# KiCad board ETH1CLCR2.kicad_pcb (continued)
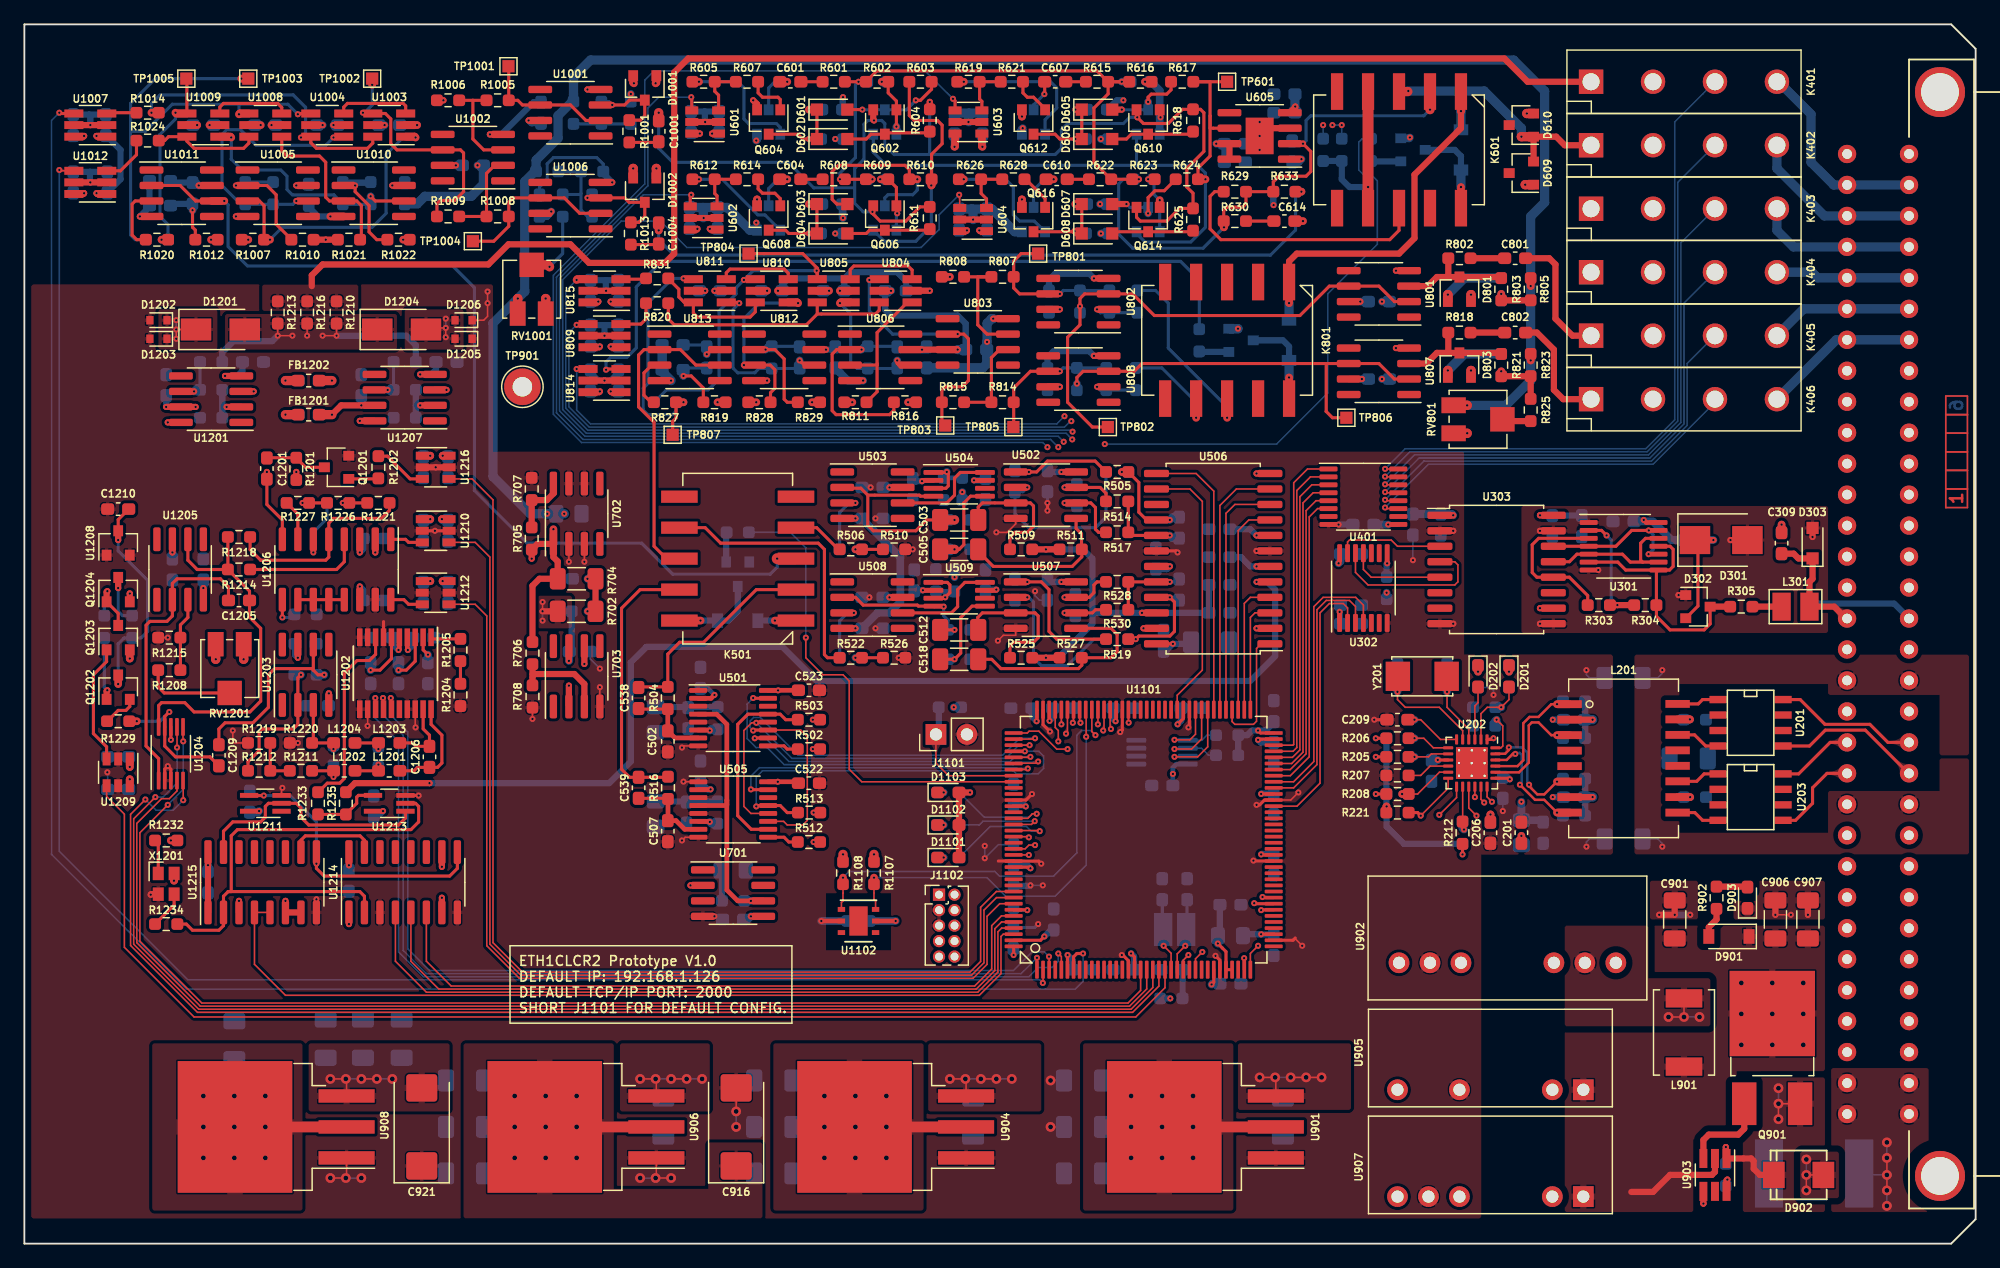
[diagram p0: board, top side]
## Routing (per net, layer and track width the routed paths; a pad name or vN(x,y) marks a point on that pad's centre or on a via; arc(x,y) is an arc through that point) (continued)
/MCU/VDIFF1: length 80.3
  Top w0.127: U1101.98 88.03,42.6 v1(88.02,42.59)
  Top w0.634: 46.22,79.1 45.34,79.1 v1(45.28,79.04)
  In3.Cu w0.127: v1(88.02,42.59) 87.07,43.55 87.07,65.48 v1(85.95,66.59)
  Bottom w0.127: v1(45.28,79.04) 44.39,78.15 44.39,68.52 46.19,66.72 85.82,66.72 v1(85.95,66.59)
/MCU/VDIFF2: length 78.2
  Top w0.127: U1101.97 88.53,42.15 v1(88.46,42.08)
  Top w0.254: v1(45.28,75.36) 45.34,75.42 U809.4
  In3.Cu w0.127: v1(88.46,42.08) 88.46,42.97 87.32,44.11 87.32,65.99 v1(85.85,67.46)
  Bottom w0.127: v1(85.85,67.46) 85.77,67.46 85.29,66.97 46.31,66.97 44.65,68.64 44.65,74.72 v1(45.28,75.36)
/Trigger/EXT_TRIG_SIGN: length 13.2
  Top w0.254: U301.3 124.16,57.85 123.64,57.32 123.64,55.04 124.02,54.66 U303.12 126.69,54.66 128.19,53.16 R303.1
/Trigger/TRIG_OUT_EN: length 12.2
  Top w0.254: U301.10 v1(133.18,56.55) ; U301.13 v1(133.2,58.5) 131.8,58.5 130.5,57.2 U301.4 U303.14
  Bottom w0.254: v1(133.2,58.5) 133.55,58.14 133.55,56.91 v1(133.18,56.55)
/Trigger/TRIG_OUT_SIGN: length 12.4
  Top w0.254: U301.12 132.93,57.85 132.53,57.45 132.53,56.05 132.69,55.9 ; U301.9 132.69,55.9 ; 132.69,55.9 131.69,55.9 131.04,56.55 U301.5 127.31,56.55 126.69,55.93 U303.13
Earth: length 4.1
  Bottom w0.127: R216.1 133.93,33.19 134.31,32.81 v1(134.31,32.56) ; C212.1 133.93,46.4 134.31,46.78 v1(134.31,47.04)
Net-(C208-Pad1): length 5.2
  Top w0.127: v1(113.99,42.97) 114.5,42.97 116.12,41.35 U202.6
  Top w0.254: C209.1 v1(113.99,42.97)
  Bottom w0.634: C209.1 v1(113.99,42.97)
Net-(C213-Pad1): length 9.6
  Top w0.127: v1(112.59,45.26) 112.59,44.62 113.23,43.99 116.02,43.99 117.94,42.07 U202.5
  Top w0.254: Y201.2 112.62,45.29 v1(112.59,45.26)
  Bottom w0.634: C213.1 v1(112.59,45.26)
Net-(C214-Pad1): length 6.5
  Top w0.127: U202.4 118.44,42.21 116.66,43.99 v1(116.66,45.26)
  Top w0.254: v1(116.66,45.26) 116.62,45.29 Y201.1
  Bottom w0.634: C214.1 v1(116.66,45.26)
Net-(C309-Pad2): length 1.3
  Top w0.634: C309.2 v1(144.09,58.97)
  Bottom w0.634: R306.1 v1(144.09,58.97)
Net-(C501-Pad1): length 9.3
  Top w0.254: 81.29,63.29 v1(82.37,63.29) 83,63.29 83.89,64.18 87.8,64.18 R505.2
  Bottom w0.254: C501.1 81.32,63.29 v1(82.37,63.29)
Net-(C501-Pad2): length 15.9
  Top w0.254: 81.29,62.02 v1(82.24,62.02)
  Bottom w0.254: R501.2 88.69,59.59 87.83,58.72 82.37,58.72 81.22,59.86 C501.2 81.89,61.67 v1(82.24,62.02)
Net-(C502-Pad1): length 6.9
  Top w0.254: C538.1 50.41,43.84 R504.1
  Top w0.381: U501.7 53.34,41.47 C502.1 R504.1
Net-(C503-Pad1): length 10.8
  Top w0.254: C503.1 78.21,60.41 78.56,60.75 82.49,60.75 82.75,60.5 82.75,58.85 82.24,58.34 81.22,58.34 80.82,57.93 R509.1
Net-(C503-Pad2): length 18.4
  Top w0.254: U503.2 67.13,61.96 68.59,61.96 69.16,61.39 ; C503.2 73.99,59.36 73.1,58.47 69.6,58.47 69.16,58.91 69.16,61.39 ; U504.4 73.48,61.3 73.39,61.39 69.16,61.39
  Top w0.761: C503.2 v1(76.27,59.36)
  Bottom w0.761: R508.1 v1(76.27,59.36)
Net-(C504-Pad1): length 8.4
  Top w0.254: R505.1 91.38,62.43 91.38,59.99 92.02,59.36 U506.16 v1(93.92,59.36)
  Top w0.634: R505.1 v1(89.99,63.29)
  Bottom w0.634: C504.1 94.15,59.58 v1(93.92,59.36) ; R505.1 v1(89.99,63.29)
Net-(C504-Pad2): length 6.9
  Top w0.254: R514.1 R517.1 90.77,58.08 v1(93.92,58.08)
  Bottom w0.634: C504.2 94.15,57.86 v1(93.92,58.08)
Net-(C505-Pad1): length 12.8
  Top w0.254: U502.5 86.24,58.66 86.69,58.21 86.69,56.97 R511.1 86.71,56.33 85.92,55.55 79.45,55.55 78.21,56.78 C505.1
Net-(C505-Pad2): length 8
  Top w0.254: U504.5 77.58,61.3 77.03,60.75 77.03,57.32 76.65,56.94 v1(76.27,56.94)
  Top w0.761: C505.2 v1(76.27,56.94)
  Bottom w0.761: R515.1 v1(76.27,56.94)
Net-(C506-Pad1): length 5.4
  Top w0.127: U502.7 v1(85.29,62.02)
  Top w0.254: R514.2 88.69,61.54 88.21,62.02 U502.7
  Bottom w0.254: v1(85.29,62.02) 85.52,62.25 C506.1
Net-(C506-Pad2): length 6.6
  Top w0.127: U502.6 v1(85.29,60.75)
  Top w0.254: U502.6 87.45,60.75 87.83,60.37 87.83,58.59 88.08,58.34 R517.2
  Bottom w0.254: v1(85.29,60.75) 85.52,60.52 C506.2
Net-(C507-Pad1): length 7
  Top w0.254: R516.1 52.73,36.52 C539.1
  Top w0.381: R516.1 52.78,34.71 C507.1 53.44,34.69 54.15,33.98 U505.7
Net-(C508-Pad1): length 12.5
  Top w0.254: 81.29,54.28 v1(82.24,54.28) 83.38,54.28 84.02,53.64 84.02,50.21 84.65,49.58 R519.2
  Bottom w0.254: C508.1 81.45,54.28 v1(82.24,54.28)
Net-(C508-Pad2): length 14.4
  Top w0.254: 81.29,53 v1(82.24,53)
  Bottom w0.254: C508.2 81.45,53 v1(82.24,53) 82.37,53 82.75,52.62 82.75,48.05 83.38,47.42 85.54,47.42 87.7,49.58 R518.2
Net-(C511-Pad1): length 4
  Top w0.254: U506.24 v1(94.18,49.19)
  Bottom w0.508: 93.29,48.71 93.7,48.71 v1(94.18,49.19) 95.54,49.19 C511.1
Net-(C512-Pad1): length 11.6
  Top w0.254: R525.1 80.82,49.04 81.1,49.32 82.75,49.32 83.13,49.7 83.13,51.48 82.88,51.73 78.56,51.73 78.18,51.35 78.18,50.38 C512.1
Net-(C512-Pad2): length 12.5
  Top w0.254: 67.06,53 68.14,53 68.78,52.37 73.22,52.37 73.31,52.28 U509.4 74.58,52.24 v1(75.38,52.24) ; C512.2 v1(76.27,50.34)
  Bottom w0.254: v1(76.27,50.34) R524.1 75.74,51.12 75.38,51.48 v1(75.38,52.24) 75.38,52.12
Net-(C513-Pad1): length 5.1
  Bottom w0.508: R520.2 54.48,44.01 C514.1 54.38,44.01 C513.1
Net-(C515-Pad1): length 5.1
  Bottom w0.508: C515.1 54.25,36.26 C516.1 54.35,36.26 R521.2
Net-(C517-Pad1): length 9.6
  Top w0.254: R519.1 v1(91.13,49.58) 91.38,49.83 93.92,49.83 94.31,50.21 94.31,52.62 v1(93.92,53) 92.83,53
  Bottom w0.254: v1(93.92,53) 94.46,53 C517.1 ; R519.1 v1(91.13,49.58)
Net-(C517-Pad2): length 6.5
  Top w0.254: v1(93.92,54.28) U506.20 R528.1 R530.1
  Bottom w0.254: C517.2 94.46,54.28 v1(93.92,54.28)
Net-(C518-Pad1): length 17.6
  Top w0.254: U507.5 89.11,50.47 89.61,49.97 89.61,48.56 89.1,48.05 R527.1 86.71,47.44 86.43,47.16 80.08,47.16 79.32,47.92 C518.1
Net-(C518-Pad2): length 7.7
  Top w0.254: U509.5 77.71,52.28 76.78,51.35 76.78,48.43 v1(76.27,47.92) C518.2
  Bottom w0.254: v1(76.27,47.92) R529.1
Net-(C519-Pad1): length 5.3
  Top w0.254: R528.2 87.96,54.28 87.7,54.02 87.7,53.39 87.32,53 v1(85.29,53)
  Bottom w0.254: C519.1 85.95,53 v1(85.29,53)
Net-(C519-Pad2): length 4.5
  Top w0.254: R530.2 87.83,51.99 87.57,51.73 U507.6 v1(85.29,51.73)
  Bottom w0.254: C519.2 85.95,51.73 v1(85.29,51.73)
Net-(C601-Pad1): length 1.8
  Top w0.254: R601.2 C601.1
Net-(C601-Pad2): length 4.1
  Top w0.634: C601.2 v1(62.56,95.3)
  Bottom w0.254: Q603.3 61.03,94.79 61.54,95.3 v1(62.56,95.3)
Net-(C602-Pad1): length 5.6
  Top w0.254: v1(71.51,91.61) Q602.1 71.51,93.71 70.83,94.38 R602.1
  Top w0.634: R602.1 v1(70.3,95.3)
  Bottom w0.634: Q601.1 v1(71.51,91.61) ; C602.1 v1(70.3,95.3)
Net-(C602-Pad2): length 96.6
  Top w0.254: R602.2 R601.1 ; R602.2 69.9,96.19 87.96,96.19 88.84,95.3 R615.1 ; R602.2 v1(68.4,95.3) ; R615.1 R616.2 v1(89.99,95.3) R615.1 ; R615.1 88.87,94.3 87.7,93.14 87.7,88.69 89.1,87.3 R622.1 R623.2 ; v1(66.87,87.3) R608.1 R609.2 v1(69.54,87.3) ; R630.1 98.35,84.73 98.62,85.01 99.89,85.01 100.17,85.29 R629.1 R633.2 102.41,87.08 102.88,87.55 105.1,87.55 105.48,87.93 105.48,89.58 v1(104.85,90.22)
  Top w0.508: U605.2 v1(104.85,90.22) ; R623.2 v1(91.38,87.3)
  Top w0.634: R609.2 69.47,87.3 ; v1(98.37,83.35) 98.35,83.38 R630.1
  Top w0.761: K601.2 v1(115.26,93.01)
  Bottom w0.254: C613.2 104.18,90.22 v1(104.85,90.22) 105.1,90.47 105.1,92.12 105.48,92.5 114.75,92.5 v1(115.26,93.01) ; v1(91.38,87.3) C611.2 90.11,87.3 89.74,86.92 89.74,82.78 90.88,81.64 96.65,81.64 98.37,83.35 v1(98.37,83.35) ; C602.2 v1(68.4,95.3) 68.15,95.05 68.15,89.08 66.87,87.8 v1(66.87,87.3)
  Bottom w0.508: C605.2 v1(69.54,87.3)
  Bottom w0.634: C608.2 v1(89.99,95.3)
Net-(C603-Pad1): length 9.2
  Top w0.254: Q604.3 63.43,90.99 63.83,90.6 v1(64.33,90.6) D602.1 D601.1
  Top w0.634: D601.1 v1(64.33,93.01)
  Bottom w0.508: R606.1 v1(64.33,90.6) ; C603.1 v1(64.33,93.01)
Net-(C604-Pad1): length 1.8
  Top w0.254: R608.2 C604.1
Net-(C604-Pad2): length 3.9
  Top w0.634: C604.2 v1(62.56,87.3)
  Bottom w0.254: Q607.3 61.03,86.53 61.79,87.3 v1(62.56,87.3)
Net-(C605-Pad1): length 6.4
  Top w0.254: v1(71.57,84.5) 71.57,85.05 Q606.1 71.51,86.62 R609.1 v1(70.18,87.3)
  Top w0.634: R609.1 70.23,87.3
  Bottom w0.254: Q605.1 71.51,84.44 v1(71.57,84.5) ; C605.1 v1(70.18,87.3)
Net-(C606-Pad1): length 9.2
  Top w0.254: D603.1 D604.1 v1(64.33,82.85) 62.68,82.85 62.41,83.12 Q608.3
  Top w0.634: D603.1 v1(64.33,85.26)
  Bottom w0.508: C606.1 v1(64.33,85.26) ; R613.1 v1(64.33,82.85)
Net-(C607-Pad1): length 1.7
  Top w0.254: R615.2 C607.1
Net-(C607-Pad2): length 2.7
  Top w0.254: v1(83.64,94.28) 83.66,94.31 C607.2
  Bottom w0.254: Q611.3 82.75,93.39 v1(83.64,94.28)
Net-(C608-Pad1): length 10.2
  Top w0.254: v1(93.16,92.38) 93.1,92.44 Q610.1
  Top w0.634: R616.1 v1(91.89,95.3)
  Bottom w0.254: Q609.1 93.1,92.06 ; 93.1,92.06 93.1,94.57 ; 93.1,92.06 93.1,92.31 v1(93.16,92.38)
  Bottom w0.634: v1(91.89,95.3) C608.1 93.1,94.57 Q609.1
Net-(C609-Pad1): length 8.8
  Top w0.254: v1(86.18,93.01) D605.1 D606.1 v1(86.18,90.6) 84.91,90.6 84.51,90.99 Q612.3
  Bottom w0.508: R620.1 v1(86.18,90.6) ; C609.1 v1(86.18,93.01)
Net-(C610-Pad1): length 1.8
  Top w0.254: C610.1 R622.2
Net-(C610-Pad2): length 4
  Top w0.634: C610.2 v1(84.4,87.3)
  Bottom w0.254: v1(84.4,87.3) 83.64,87.3 82.75,86.41 Q615.3
Net-(C611-Pad1): length 6.1
  Top w0.254: R623.1 v1(92.15,87.3)
  Top w0.634: Q614.1 v1(93.1,85.58)
  Bottom w0.254: v1(92.15,87.3) C611.1 92.63,86.05 v1(93.1,85.58) Q613.1
Net-(C612-Pad1): length 9.2
  Top w0.254: D607.1 D608.1 86.56,82.99 Q616.3
  Top w0.508: 86.3,82.85 v1(86.11,83.04)
  Top w0.634: D607.1 v1(86.18,85.26)
  Bottom w0.508: R627.1 86.3,82.85 v1(86.11,83.04) ; C612.1 v1(86.18,85.26)
Net-(C613-Pad1): length 1.8
  Top w0.254: U605.1 v1(104.72,88.95)
  Bottom w0.634: v1(104.72,88.95) 104.49,88.72 C613.1
Net-(C614-Pad1): length 2.3
  Top w0.254: C614.1 R630.2
Net-(C701-Pad1): length 1.7
  Top w0.508: U701.5 v1(59.57,26.84)
  Bottom w0.634: C701.1 59.32,26.59 v1(59.57,26.84)
Net-(C702-Pad1): length 2.6
  Bottom w0.508: C702.1 57.2,30.54 R701.2
Net-(C703-Pad1): length 5.9
  Top w0.508: U703.7 v1(44.65,47.8)
  Bottom w0.508: v1(44.65,47.8) 44.65,48.33 ; R703.1 44.88,48.76 C703.1
  Bottom w0.634: v1(44.65,47.8) 44.67,47.82 C703.1
Net-(C704-Pad1): length 5.7
  Top w0.508: v1(46.17,51.86) R702.2 R704.2 v1(46.17,54.53)
  Bottom w0.508: 46.83,51.86 v1(46.17,51.86)
  Bottom w0.634: C704.1 v1(46.17,54.53) ; R703.2 v1(46.17,51.86)
Net-(C801-Pad1): length 2.8
  Top w0.508: C801.1 R802.2
Net-(C802-Pad1): length 2.8
  Top w0.508: R818.2 C802.1
Net-(C803-Pad1): length 12.1
  Top w0.254: v1(71.57,72.44) 71.57,72.18 71.7,72.06 72.65,72.06
  Top w0.634: 67.72,77.2 66.94,77.2 v1(66.87,77.13)
  Bottom w0.254: v1(66.87,77.13) 67.76,76.25 67.76,72.31 68.29,71.78 R817.1 71.52,71.78 C803.1
  Bottom w0.634: C803.1 v1(71.57,72.44)
Net-(C803-Pad2): length 16.3
  Top w0.254: R816.1 71.29,68.35 70.94,67.99 66.56,67.99 66.24,68.31 66.24,72.95 66.61,73.33 U806.2 v1(68.65,73.33)
  Bottom w0.254: R817.2 71.52,73.6 C803.2
  Bottom w0.634: v1(68.65,73.33) 68.93,73.6 R817.2
Net-(C804-Pad2): length 5.7
  Top w0.254: v1(54.05,71.17) 54.68,71.17 55.67,70.17 R819.1
  Bottom w0.254: C804.2 54.16,71.81 FB801.1
  Bottom w0.634: C804.2 54.02,71.19 v1(54.05,71.17)
Net-(C805-Pad2): length 3.8
  Top w0.254: v1(55.95,72.94) 56.33,73.33 U813.7
  Bottom w0.254: FB801.2 55.81,73.71 C805.2
  Bottom w0.634: FB801.2 v1(55.95,72.94)
Net-(C806-Pad1): length 14.4
  Top w0.254: 64.78,72.06 63.95,72.06 v1(63.57,72.44) ; v1(58.62,77.13) 58.55,77.2 57.56,77.2
  Bottom w0.254: v1(58.62,77.13) 58.11,76.63 58.11,71.8 58.49,71.42 59.89,71.42 60.25,71.78 R830.1 63.52,71.78 C806.1
  Bottom w0.634: C806.1 v1(63.57,72.44)
Net-(C806-Pad2): length 10.2
  Top w0.254: U812.2 v1(60.78,73.33) 61.54,73.33 62.3,72.56 62.3,69.26 62.56,69.01 R829.1
  Bottom w0.254: C806.2 63.52,73.6 R830.2
  Bottom w0.634: v1(60.78,73.33) 61.05,73.6 R830.2
Net-(C901-Pad1): length 8.7
  Top w0.25: Q901.2 v2(143.33,18.84)
  Top w0.508: 131.77,4.24 133.55,4.24 134.94,5.63 138.37,5.63 138.63,5.89 U903.2
  vias: v2(140.79,21.38) v2(140.79,18.84) v2(140.79,16.3) v2(143.33,21.38) v2(143.33,16.3) v2(145.87,21.38) v2(145.87,18.84) v2(145.87,16.3)
Net-(C902-Pad1): length 6.6
  Top w0.127: v2(103.83,13.64) v2(105.1,13.64) v2(106.37,13.64) ; v2(101.29,13.64) v2(102.56,13.64) 102.62,13.58 U901.3
  Bottom w0.127: v2(102.56,13.64) v2(103.83,13.64)
Net-(C908-Pad1): length 6.5
  Top w0.127: U904.3 77.22,13.45 v2(77.16,13.51) v2(75.89,13.51) ; v2(78.43,13.51) v2(79.7,13.51)
  Bottom w0.127: v2(79.7,13.51) v2(80.97,13.51) ; v2(77.16,13.51) v2(78.43,13.51)
Net-(C912-Pad1): length 6.5
  Top w0.127: v2(50.49,13.51) v2(51.76,13.51) 51.82,13.45 U906.3 ; v2(53.03,13.51) v2(54.3,13.51)
  Bottom w0.127: v2(54.3,13.51) v2(55.57,13.51) ; v2(51.76,13.51) v2(53.03,13.51)
Net-(C917-Pad2): length 9.2
  Top w0.889: U908.2 U908.2
  vias: v2(14.68,12.11) v2(14.68,9.57) v2(14.68,7.03) v2(17.22,12.11) v2(17.22,9.57) v2(17.22,7.03) v2(19.76,12.11) v2(19.76,9.57) v2(19.76,7.03)
Net-(C1001-Pad1): length 2.4
  Top w0.254: R1001.2 51.96,90.32 C1001.1
Net-(C1002-Pad1): length 23
  Top w0.254: U1005.6 v1(22.3,85.52) ; v1(25.34,90.72) 25.41,90.79 U1004.1
  Bottom w0.254: v1(22.3,85.52) 22.02,85.24 R1011.1 18.16,85.24 C1002.1 17.7,85.29 16.2,86.79 16.2,90.98 16.58,91.36 17.72,91.36 18.99,90.09 24.71,90.09 v1(25.34,90.72)
Net-(C1002-Pad2): length 11
  Top w0.254: v1(17.34,86.79) 19.88,86.79 20.64,86.03 20.64,83.61 21.89,82.37 R1010.1
  Bottom w0.254: R1011.2 18.16,87.06 C1002.2 17.88,86.79 v1(17.34,86.79)
Net-(C1003-Pad2): length 4.9
  Top w0.254: R1012.1 14.02,83.13 13.79,83.36 v1(13.79,84.75)
  Bottom w0.508: C1003.2 12.12,85.28 FB1001.1
  Bottom w0.634: FB1001.1 v1(13.79,84.75)
Net-(C1004-Pad1): length 2.3
  Top w0.254: R1013.2 51.96,81.94 C1004.1
Net-(C1005-Pad2): length 3.5
  Top w0.508: U1011.7 v1(14.3,86.79)
  Bottom w0.508: FB1001.2 12.12,87.03 C1005.2
  Bottom w0.634: v1(14.3,86.79) 14.06,87.03 FB1001.2
Net-(C1006-Pad1): length 19.9
  Top w0.254: v1(28.39,85.9) 28.77,85.52 U1010.6
  Top w0.634: v1(16.96,90.72) 16.9,90.79 U1009.1
  Bottom w0.254: R1023.1 26.16,85.24 C1006.1 25.37,86.02 21.97,86.02 21.53,86.45 21.53,87.55 21.03,88.06 17.85,88.06 16.96,88.95 v1(16.96,90.72)
  Bottom w0.634: R1023.1 v1(28.39,85.9)
Net-(C1006-Pad2): length 11.8
  Top w0.254: U1010.2 v1(27.12,86.79) 27.12,86.28 28.27,85.14 28.27,82.98 28.9,82.34 R1022.1
  Bottom w0.254: C1006.2 28.34,87.01
  Bottom w0.508: v1(27.12,86.79) 27.12,86.91 27.02,87.01 ; R1023.2 28.34,87.01 C1006.2
Net-(C1101-Pad1): length 6
  Top w0.127: v1(93.42,24.43) 94.03,23.81 U1101.23
  Bottom w0.254: v1(93.42,24.43) 93.42,25.72 Y1101.1 93.31,25.83 C1101.1
Net-(C1102-Pad1): length 6.1
  Top w0.127: v1(95.19,24.43) 94.53,23.77 U1101.24
  Bottom w0.254: C1102.1 95.34,25.83 Y1101.2 95.19,25.69 v1(95.19,24.43)
Net-(C1103-Pad1): length 2.7
  Top w0.254: U1101.71 101.22,41.38 v1(101.16,41.32)
  Bottom w0.508: v1(101.16,41.32) 101.38,41.1 C1103.1
Net-(C1104-Pad1): length 2.1
  Top w0.127: v1(84.07,42.88) 84.03,42.91 U1101.106
  Bottom w0.508: v1(84.07,42.88) 84.31,43.12 C1104.1
Net-(C1201-Pad1): length 8
  Top w0.254: U1206.8 21.15,59.36 19.88,60.62 C1201.1
  Top w0.508: U1207.3 v1(34.61,70.02) ; U1201.3 v1(18.8,69.9) ; C1201.1 v1(19.88,63.29)
Net-(C1201-Pad2): length 5.1
  Top w0.254: Q1201.3 23.06,63.67 22.3,64.44 R1201.2 19.91,64.46 C1201.2
Net-(C1202-Pad1): length 4.5
  Top w0.254: v1(28.39,47.04) 29.15,47.04 30.1,47.98 U1202.6
  Bottom w0.634: C1202.1 v1(28.39,47.04)
Net-(C1203-Pad2): length 4.2
  Top w0.254: v1(30.68,47.04) 31.31,47.04 32.05,47.77 U1202.3
  Bottom w0.634: C1203.2 v1(30.68,47.04)
Net-(C1204-Pad2): length 2.2
  Top w0.254: U1202.2 32.7,48.7 v1(33.09,48.31)
  Bottom w0.634: C1204.2 v1(33.09,48.31)
Net-(C1205-Pad1): length 30.8
  Top w0.254: U1205.6 13.41,56.05 14.17,55.29 R1214.2 ; R1218.2 R1214.2 ; R1214.2 18.46,53.52 C1205.1 18.46,51.38 19.38,50.47 19.38,44.5 18.49,43.61 13.91,43.61 13.15,44.37 11.25,44.37 11.01,44.13 U1204.10
Net-(C1205-Pad2): length 24.5
  Top w0.254: U1204.1 11.01,39.78 9.98,40.81 9.98,50.72 10.29,51.04 11.69,51.04 12.14,51.48 U1205.2 12.14,54.15 12.52,54.53 16.07,54.53 16.73,53.87 C1205.2
Net-(C1206-Pad1): length 8.5
  Top w0.254: L1201.1 31.95,38.78 32.23,39.06 C1206.1 33.88,39.06 34.23,39.42 34.23,41.7 33.35,42.59 U1202.20
Net-(C1206-Pad2): length 5.8
  Top w0.254: L1203.1 31.82,41.07 32.1,40.79 C1206.2 33.22,41.7 32.7,42.22 U1202.19
Net-(C1207-Pad1): length 2.4
  Top w0.254: v1(29.03,39.29) 29.04,39.28 L1201.2 L1202.1
Net-(C1207-Pad2): length 2.7
  Top w0.254: L1204.1 L1203.2 29.04,40.57 v1(29.03,40.56)
  Bottom w0.254: v1(29.03,40.56) C1207.2
Net-(C1208-Pad1): length 3.2
  Top w0.254: v1(25.34,38.27) 25.34,38.77 L1202.2 R1211.2
  Bottom w0.254: C1208.1 v1(25.34,38.27)
Net-(C1208-Pad2): length 5.8
  Top w0.254: v1(25.34,40.56) 25.36,40.57 L1204.2 R1220.1 23.69,41.17 23.69,44.18
  Bottom w0.634: v1(25.34,40.56) C1208.2
Net-(C1209-Pad2): length 16.5
  Top w0.254: 23.69,47.04 23.57,47.16 20.51,47.16 20.01,46.66 20.01,43.99 18.74,42.72 16.45,42.72 15.95,42.21 C1209.2 ; 23.69,47.04 24.07,46.66 v1(24.58,46.66) ; 23.69,47.04 23.69,49.13
  Bottom w0.634: R1207.1 v1(24.58,46.66)
Net-(C1210-Pad2): length 18.3
  Top w0.254: U1208.3 7.69,59.38 C1210.2
  Top w0.508: U1208.3 v1(7.69,57.7)
  Top w0.634: Q1202.3 v1(7.69,45.89)
  Bottom w0.254: v1(7.69,45.89) 7.69,49.19 8.18,49.68 R1231.1 9.57,49.68 10.1,50.21 10.1,54.4 7.69,56.81 v1(7.69,57.7)
Net-(C1233-Pad1): length 23.6
  Top w0.508: v1(11.63,68.63) U1201.7 v1(14.04,68.63) ; v1(25.22,67.99) 25.98,68.75 v1(27.63,68.75) U1207.7
  Top w0.761: FB1201.2 v1(25.22,67.99)
  In2.Cu w1.27: v1(25.22,67.99) 24.2,66.98 15.69,66.98 v1(14.04,68.63) v1(11.63,68.63)
  Bottom w0.508: C1233.1 v1(11.63,68.63) ; C1234.1 v1(27.63,68.75)
Net-(C1235-Pad1): length 8
  Top w0.508: U1207.4 v1(32.46,71.29) ; U1201.4 v1(16.45,71.17)
  Top w0.761: FB1202.2 v1(25.22,70.78)
  Bottom w0.508: v1(16.45,71.17) 17.47,71.17 17.88,71.57 C1235.1 ; C1236.1 33.75,71.69 33.36,71.29 v1(32.46,71.29)
Net-(D201-Pad1): length 1
  Top w0.634: D201.1 v1(121.74,46.91)
  Bottom w0.634: R214.1 v1(121.74,46.91)
Net-(D201-Pad2): length 6.4
  Top w0.127: D201.2 121.74,44.62 v1(121.1,43.99) 119.96,43.99 119.44,43.47 U202.2
  Bottom w0.634: R213.1 v1(121.1,43.99)
Net-(D202-Pad1): length 1
  Top w0.634: D202.1 v1(119.2,46.91)
  Bottom w0.634: R215.1 v1(119.2,46.91)
Net-(D202-Pad2): length 4.4
  Top w0.127: U202.3 118.94,44.11 119.2,44.37 D202.2
Net-(D301-Pad1): length 9.2
  Top w0.254: D302.2 137.23,52.29 137.23,57.46 D301.1
  Top w0.508: D301.1 v1(138.5,57.7)
  Bottom w0.634: R302.2 v1(138.5,57.7)
Net-(D302-Pad3): length 22
  Top w0.254: D302.3 138.23,50.83 137.74,50.34 134.94,50.34 133.83,51.46 R304.2 133.83,55.07 U301.8 ; U301.8 131.31,55.25 130.66,55.9 U301.6 ; U301.8 134.9,55.25 135.2,55.55 135.2,56.94 134.94,57.2 U301.11
  Top w0.508: R305.1 D302.3
Net-(D501-Pad2): length 7.1
  Top w0.634: K501.10 v1(55.44,51.1)
  Bottom w0.508: Q501.3 58.49,51.86 57.73,51.1 D501.2 v1(55.44,51.1)
Net-(D601-Pad2): length 8.2
  Top w0.254: v1(73.1,93.77) 73.48,93.77 74.39,94.68 R603.2 ; D601.2 v1(68.71,93.01)
  Bottom w0.254: v1(68.71,93.01) 68.73,92.99 Q601.3 72.32,92.99 v1(73.1,93.77)
Net-(D602-Pad2): length 7
  Top w0.254: D602.2 69.03,90.6 69.43,90.99 Q602.3 70.67,91.1 74.14,91.1 R604.2
Net-(D603-Pad2): length 16.3
  Top w0.254: R610.2 72.56,88.08 72.21,88.44 66.75,88.44 66.24,87.93 66.24,85.64 66.62,85.26 D603.2
  Top w0.634: R610.2 v1(73.22,87.3)
  Bottom w0.254: v1(73.22,87.3) 73.22,86.41 72.84,86.03 70.81,86.03 70.56,85.77 Q605.3
Net-(D604-Pad2): length 6.9
  Top w0.254: R611.2 74.15,83.12 Q606.3 69.3,83.12 69.03,82.85 D604.2
Net-(D605-Pad2): length 6.8
  Top w0.254: R617.2 94.03,94.64 93.67,94.28 92.4,94.28 92.15,94.03 v1(92.15,93.65)
  Top w0.508: D605.2 v1(89.99,93.01)
  Bottom w0.254: v1(89.99,93.01) 90,92.99 Q609.3
  Bottom w0.634: Q609.3 v1(92.15,93.65)
Net-(D606-Pad2): length 6.9
  Top w0.254: D606.2 90.37,90.6 90.76,90.99 Q610.3 95.61,90.99 R618.2
Net-(D607-Pad2): length 7.7
  Top w0.254: v1(92.15,84.5) 92.15,85.8 92.7,86.36 93.47,86.36 R624.2
  Top w0.508: D607.2 v1(90.37,85.26)
  Bottom w0.254: v1(90.37,85.26) 90.64,84.99 Q613.3
  Bottom w0.634: Q613.3 v1(92.15,84.5)
Net-(D608-Pad2): length 6.7
  Top w0.254: D608.2 89.35,82.99 Q614.3 95.74,82.99 R625.2
Net-(D611-Pad2): length 7.4
  Top w0.634: K601.10 v1(117.8,86.66)
  Bottom w0.508: D611.2 117.8,89.2 117.29,89.71 Q617.3
  Bottom w0.761: D611.2 v1(117.8,86.66)
Net-(D801-Pad3): length 11.9
  Top w0.254: D801.3 116.76,79.28 R802.1
  Top w0.508: U801.3 115.08,78.53 115.83,79.28 116.64,79.28 ; R802.1 116.76,79.4 116.64,79.28 ; 116.64,79.28 D801.3 121.01,79.28 R803.2
Net-(D802-Pad2): length 9.5
  Top w0.634: K801.10 v1(103.7,71.04)
  Bottom w0.508: Q801.3 103.19,74.09 103.7,73.58 103.7,71.8 ; 103.7,71.8 D802.2 ; 103.7,71.8 v1(103.7,71.04)
  Bottom w0.761: D802.2 v1(103.7,71.04)
Net-(D803-Pad3): length 10.5
  Top w0.254: D803.3 116.77,73.06
  Top w0.508: U807.3 114.95,72.18 115.83,73.06 D803.3 121.01,73.06 R821.2 ; R818.1 116.76,73.06
Net-(D901-Pad2): length 2.5
  Top w0.508: D901.2 138.12,25.95 138.75,26.59 R902.1
Net-(D902-Pad1): length 11.5
  Top w0.127: v2(143.84,10.21) v2(143.84,11.48) 143.84,11.47 Q901.3
  Top w0.508: v1(139.52,7.92) 139.52,7.04 U903.1 141.6,6.98 141.8,6.78 141.8,6.14 142.31,5.63 D902.1
  Bottom w0.127: v2(143.84,11.48) v2(143.84,12.75)
  Bottom w0.508: R901.1 v1(139.52,7.92)
Net-(D903-Pad2): length 2.6
  Top w0.508: D903.2 141.26,29.28 R902.2
Net-(D1001-Pad3): length 7.5
  Top w0.254: U1001.3 v1(48.2,93.39) 49.22,93.39 49.62,93.79 D1001.3 50.87,92.5 50.51,92.14 R1001.1
  Bottom w0.254: v1(48.2,93.39) 47.93,93.67 R1002.2
Net-(D1002-Pad3): length 7.8
  Top w0.254: v1(46.17,85.77) U1006.3 49.22,85.77 49.58,85.41 D1002.3 50.87,84.25 50.39,83.76 R1013.1
  Bottom w0.254: R1015.2 46.28,85.77 v1(46.17,85.77)
Net-(D1101-Pad1): length 1
  Top w0.254: D1101.1 v1(75.38,31.67)
  Bottom w0.634: R1101.2 v1(75.38,31.67)
Net-(D1102-Pad1): length 1
  Top w0.254: D1102.1 v1(75.38,34.34)
  Bottom w0.634: R1102.2 v1(75.38,34.34)
Net-(D1103-Pad1): length 1
  Top w0.254: D1103.1 v1(75.38,37)
  Bottom w0.634: R1103.2 v1(75.38,37)
Net-(D1201-Pad2): length 19.4
  Top w0.127: R1216.2 v1(23.19,74.47) ; R1213.2 v1(20.77,74.47) v1(21.98,74.47) ; v1(24.45,74.47) v1(25.6,74.47) R1210.2
  Bottom w0.508: v1(25.6,74.47) 31.31,74.47 32.1,73.68 R1224.1 ; R1206.1 16.22,73.09 17.15,74.02 20.33,74.02 v1(20.77,74.47)
Net-(K401-Pad3): length 55.6
  Top w0.127: v1(111.58,63.55) 111.59,63.53 U401.16
  Bottom w0.127: v1(111.58,63.55) 113.23,65.2 132.96,65.2 135.33,67.57 135.33,91.99 K401.3
Net-(K402-Pad3): length 50.9
  Top w0.127: v1(111.58,62.91) 111.6,62.89 U401.15
  Bottom w0.127: K402.3 135.58,87.04 135.58,67.46 133.06,64.94 113.61,64.94 v1(111.58,62.91)
Net-(K403-Pad3): length 46.1
  Top w0.127: v1(111.58,62.28) 111.62,62.23 U401.14
  Bottom w0.127: K403.3 135.83,82.09 135.83,67.36 133.17,64.69 113.99,64.69 v1(111.58,62.28)
Net-(K404-Pad3): length 41.4
  Top w0.127: 112.66,61.58 111.63,61.58 v1(111.58,61.64)
  Bottom w0.127: K404.3 136.09,77.13 136.09,67.23 133.29,64.44 114.37,64.44 v1(111.58,61.64)
Net-(K405-Pad3): length 36.7
  Top w0.127: v1(111.58,61.01) 111.65,60.94 U401.12
  Bottom w0.127: K405.3 136.34,72.18 136.34,67.1 133.42,64.18 114.75,64.18 v1(111.58,61.01)
Net-(K406-Pad3): length 32
  Top w0.127: 112.66,60.28 111.66,60.28 v1(111.58,60.37)
  Bottom w0.127: v1(111.58,60.37) 115.13,63.93 133.55,63.93 138.63,69.01 K406.3
Net-(K601-Pad4): length 15
  Top w0.889: K601.7 K601.4
  Bottom w0.508: R631.1 R632.1 108.02,87.3 108.66,86.66 v1(110.18,86.66)
Net-(K601-Pad8): length 21.9
  Top w0.254: R629.2 97.61,86.28 97.23,85.9 97.23,83.23 98.12,82.34 111.96,82.34 112.72,83.1 K601.8
Net-(K801-Pad7): length 9
  Top w0.634: K801.7 v1(96.08,67.74)
  Bottom w0.254: R810.1 93.27,71.82 96.08,69.01 v1(96.08,67.74)
Net-(K801-Pad8): length 15.9
  Top w0.634: K801.8 v1(98.62,67.74)
  Bottom w0.254: R809.2 92.76,78.17 93.8,77.13 93.8,73.45 98.62,68.63 v1(98.62,67.74)
Net-(L201-Pad9): length 3.6
  Top w0.254: U203.4 137.61,34.72 136.98,35.35 L201.9
Net-(L201-Pad10): length 1.6
  Top w0.634: L201.10 v1(136.6,36.62)
  Bottom w0.634: R210.1 v1(136.6,36.62)
Net-(L201-Pad11): length 3.6
  Top w0.254: L201.11 137.13,37.92 137.74,38.53 U203.1
Net-(L201-Pad14): length 3.7
  Top w0.254: L201.14 136.95,41.73 137.87,40.81 U201.4
Net-(L201-Pad15): length 1.5
  Top w0.634: L201.15 v1(136.57,43)
  Bottom w0.634: v1(136.57,43) 136.55,42.97 R211.1
Net-(L201-Pad16): length 3.5
  Top w0.254: L201.16 137.26,44.27 137.61,44.62 U201.1
Net-(L301-Pad2): length 2.4
  Top w0.508: L301.2 R305.2
Net-(L901-Pad2): length 4.1
  Top w0.127: v2(134.82,18.59) v2(136.09,18.59) L901.2
  Bottom w0.127: v2(136.09,18.59) v2(137.36,18.59)
Net-(Q501-Pad1): length 2.4
  Bottom w0.508: R531.2 57.54,58.3 Q501.1
Net-(Q601-Pad2): length 81.5
  Top w0.254: 97.23,92.5 97.23,89.2 96.23,88.21 R624.1 ; 97.23,92.5 97.23,91.49 U605.6 ; 97.23,92.5 97.23,95.3 R617.1 TP601.1 ; R603.1 72.56,92.53 72.97,92.12 74.87,92.12 75.25,91.74 75.25,90.22 74.39,89.35 R610.1